# Allegro board TDI_KU5P_QSFP28_CXP_V001-20240805_1841.brd (continued)
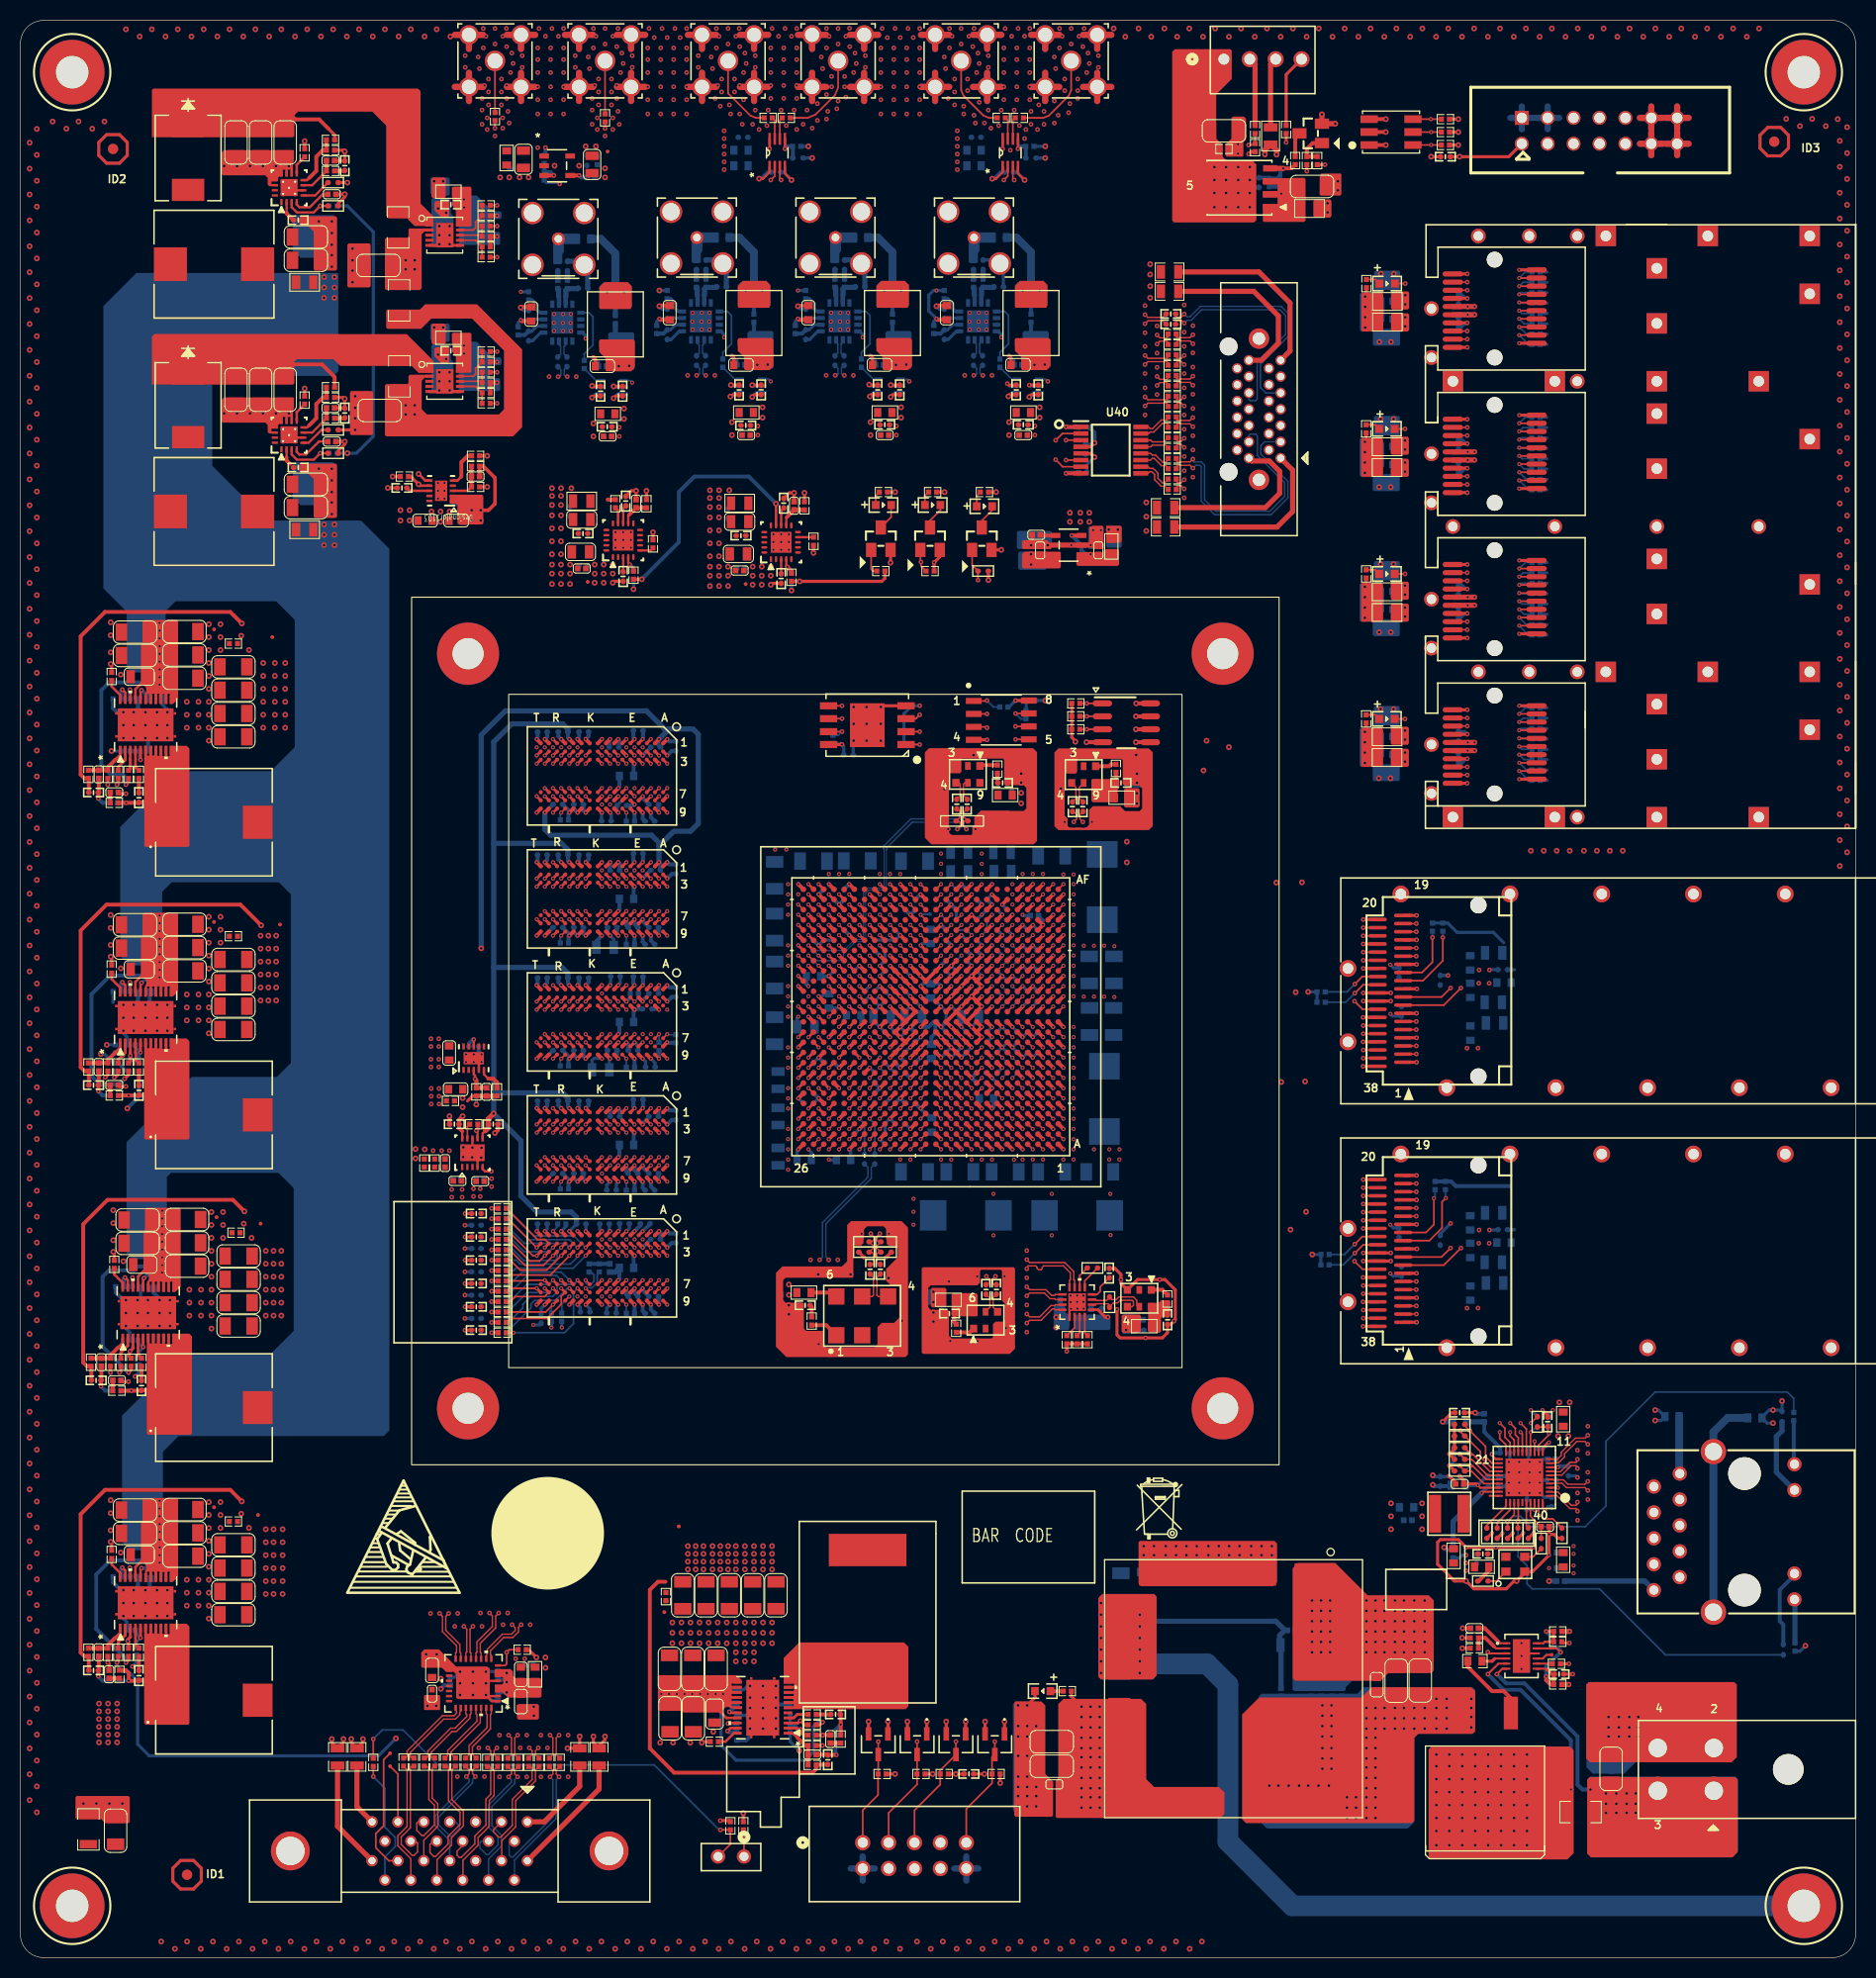
[diagram p0: board, top side]
## Routing (per net, layer and track width the routed paths; a pad name or vN(x,y) marks a point on that pad's centre or on a via; arc(x,y) is an arc through that point) (continued)
CHA_FPGA_DDR4_C1_DQS1_P: length 28.9
  TOP w0.17: U5.B7 v1(62.64,102.64) ; U1.AA22 v1(80.29,100.28)
  ART05 w0.102: 74.91,103.96 74.96,103.91 76.65,103.91 76.88,103.68 76.88,103 76.98,102.9 80.58,102.9 80.91,102.57 80.91,100.77 80.69,100.55 80.4,100.55 80.29,100.45 v1(80.29,100.28)
  ART05 w0.178: 74.91,103.96 74.77,103.96 74.31,103.51 73.9,103.51 73.73,103.69 73.73,104.34 73.37,104.7 72.48,104.7 72.12,104.34 72.12,102.97 71.94,102.8 71.23,102.8 71.05,102.97 71.05,104.34 70.7,104.7 69.73,104.7 69.37,104.34 69.37,103.68 69.19,103.5 63.24,103.5 62.88,103.15 62.88,102.81 62.71,102.64 v1(62.64,102.64)
CHA_FPGA_DDR4_C1_DQS2_N: length 45.9
  TOP w0.17: U6.F3 v1(59.44,117.1) ; U1.AD18 v1(84.29,103.28)
  ART05 w0.102: v1(84.29,103.28) 84.29,102.86 84.19,102.76 83.99,102.76 83.89,102.86 83.89,103.61 83.99,103.71 84.68,103.71 84.9,103.93 84.9,106.53 84.95,106.58 84.95,106.6
  ART05 w0.178: v1(59.44,117.1) 59.33,117.1 59.15,116.92 59.15,116.72 59.33,116.54 65.92,116.54 66.28,116.18 66.28,115.45 66.45,115.27 67.16,115.27 67.34,115.45 67.34,116.18 67.7,116.54 68.67,116.54 69.02,116.18 69.02,115.45 69.2,115.27 69.91,115.27 70.09,115.45 70.09,116.18 70.45,116.54 71.41,116.54 71.77,116.18 71.77,115.45 71.95,115.27 72.66,115.27 72.84,115.45 72.84,116.18 73.2,116.54 74.16,116.54 74.52,116.18 74.52,115.45 74.7,115.27 75.41,115.27 75.59,115.45 75.59,116.18 75.94,116.54 76.6,116.54 84.95,108.18 84.95,106.6
CHA_FPGA_DDR4_C1_DQS2_P: length 45.9
  TOP w0.17: U1.AC18 v1(84.29,102.28) ; U6.G3 v1(58.64,117.1)
  ART05 w0.102: 84.65,106.6 84.65,106.58 84.7,106.53 84.7,104.01 84.6,103.91 83.9,103.91 83.68,103.69 83.68,102.77 83.9,102.55 84.19,102.55 84.29,102.45 v1(84.29,102.28)
  ART05 w0.178: 84.65,106.6 84.65,108.05 76.47,116.23 76.07,116.23 75.89,116.05 75.89,115.32 75.54,114.96 74.57,114.96 74.21,115.32 74.21,116.05 74.04,116.23 73.32,116.23 73.15,116.05 73.15,115.32 72.79,114.96 71.82,114.96 71.46,115.32 71.46,116.05 71.29,116.23 70.58,116.23 70.4,116.05 70.4,115.32 70.04,114.96 69.07,114.96 68.72,115.32 68.72,116.05 68.54,116.23 67.83,116.23 67.65,116.05 67.65,115.32 67.29,114.96 66.33,114.96 65.97,115.32 65.97,116.05 65.79,116.23 59.2,116.23 58.84,116.59 58.84,116.9 v1(58.64,117.1)
CHA_FPGA_DDR4_C1_DQS3_N: length 39.9
  TOP w0.17: U6.A7 v1(63.44,114.7) ; U1.AC17 v1(85.29,102.28)
  ART03 w0.102: 85.66,106.68 85.66,106.67 85.71,106.62 85.71,101.81 85.61,101.7 85.39,101.7 85.29,101.81 v1(85.29,102.28)
  ART03 w0.178: v1(63.44,114.7) 63.37,114.7 63.19,114.88 63.19,115.34 63.37,115.52 64.03,115.52 64.39,115.16 64.74,115.16 65.1,115.52 65.46,115.52 65.81,115.16 66.17,115.16 66.52,115.52 66.88,115.52 67.23,115.16 67.59,115.16 67.94,115.52 79.44,115.52 80.17,114.79 80.67,114.79 80.92,115.03 81.17,115.03 81.67,114.53 81.67,114.28 81.43,114.03 81.43,113.53 82.11,112.84 82.62,112.84 82.86,113.09 83.11,113.09 83.62,112.58 83.62,112.33 83.37,112.09 83.37,111.58 84.06,110.9 84.56,110.9 84.81,111.14 85.06,111.14 85.56,110.64 85.56,110.39 85.32,110.15 85.32,109.64 85.66,109.29 85.66,106.68
CHA_FPGA_DDR4_C1_DQS3_P: length 40.1
  TOP w0.17: U1.AB17 v1(85.29,101.28) ; U6.B7 v1(62.64,114.7)
  ART03 w0.102: 85.97,106.68 85.92,106.63 85.92,101.72 85.7,101.5 85.39,101.5 85.29,101.4 v1(85.29,101.28)
  ART03 w0.178: v1(62.64,114.7) 62.7,114.7 62.88,114.89 62.88,115.47 63.24,115.82 79.57,115.82 80.3,115.1 80.55,115.1 80.79,115.34 81.3,115.34 81.98,114.66 81.98,114.15 81.74,113.91 81.74,113.65 82.24,113.15 82.49,113.15 82.74,113.4 83.24,113.4 83.92,112.71 83.92,112.21 83.68,111.96 83.68,111.71 84.18,111.21 84.44,111.21 84.68,111.45 85.19,111.45 85.87,110.77 85.87,110.26 85.63,110.02 85.63,109.77 85.97,109.42 85.97,106.68
CHA_FPGA_DDR4_C1_DQS4_N: length 39.7
  TOP w0.17: U1.L19 v1(83.29,90.28) ; U7.F3 v1(59.44,80.91)
  ART12 w0.102: v1(83.29,90.28) 83.8,90.28 83.9,90.18 83.9,89.97 83.79,89.87 80.11,89.87 79.9,90.08 79.9,90.52 79.95,90.58 79.95,90.6
  ART12 w0.178: v1(59.44,80.91) 59.28,80.91 59.15,80.78 59.15,80.54 59.33,80.37 63.77,80.37 64.2,80.8 64.2,81.4 66.08,83.29 66.08,83.54 65.69,83.94 65.69,84.44 66.37,85.13 66.88,85.13 67.27,84.73 67.53,84.73 68.03,85.23 68.03,85.49 67.63,85.88 67.63,86.39 68.32,87.07 68.82,87.07 69.22,86.68 69.47,86.68 69.97,87.18 69.97,87.43 69.58,87.83 69.58,88.33 70.26,89.02 70.77,89.02 71.16,88.62 71.41,88.62 71.92,89.12 71.92,89.37 71.52,89.77 71.52,90.28 72.2,90.96 72.71,90.96 73.11,90.56 73.36,90.56 73.95,91.16 79.67,91.16 79.95,90.88 79.95,90.6
CHA_FPGA_DDR4_C1_DQS4_P: length 39.9
  TOP w0.17: U1.M19 v1(84.3,90.27) ; U7.G3 v1(58.64,80.91)
  ART12 w0.102: 79.64,90.6 79.64,90.58 79.7,90.52 79.7,89.99 80.03,89.66 83.88,89.66 84.1,89.88 84.1,90.17 84.2,90.27 v1(84.3,90.27)
  ART12 w0.178: 79.64,90.6 79.64,90.75 79.54,90.85 74.08,90.85 73.48,90.26 72.98,90.26 72.58,90.65 72.33,90.65 71.83,90.15 71.83,89.9 72.22,89.5 72.22,88.99 71.54,88.31 71.03,88.31 70.64,88.71 70.39,88.71 69.88,88.2 69.88,87.95 70.28,87.56 70.28,87.05 69.6,86.37 69.09,86.37 68.69,86.76 68.44,86.76 67.94,86.26 67.94,86.01 68.34,85.61 68.34,85.11 67.65,84.42 67.15,84.42 66.75,84.82 66.5,84.82 66,84.32 66,84.06 66.39,83.67 66.39,83.16 64.51,81.28 64.51,80.67 63.89,80.06 59.2,80.06 58.84,80.42 58.84,80.7 v1(58.64,80.91)
CHA_FPGA_DDR4_C1_DQS5_N: length 25.3
  TOP w0.17: U7.A7 v1(63.44,78.51)
  TOP w0.211: U1.L25 v1(78.3,89.28)
  ART05 w0.102: 74.92,86.59 74.97,86.64 76.6,86.64 76.93,86.96 76.93,87.49 77.11,87.68 77.57,87.68 77.87,87.98 77.87,89.73 77.97,89.83 78.19,89.83 78.3,89.73 78.3,89.28 v1(78.3,89.28)
  ART05 w0.178: v1(63.44,78.51) 63.26,78.51 63.08,78.68 63.08,78.93 63.26,79.11 66.25,79.11 66.85,79.71 67.1,79.71 67.25,79.55 67.76,79.55 68.44,80.24 68.44,80.74 68.29,80.9 68.29,81.15 68.79,81.65 69.04,81.65 69.2,81.5 69.7,81.5 70.39,82.18 70.39,82.69 70.23,82.84 70.23,83.09 73.72,86.59 74.92,86.59
CHA_FPGA_DDR4_C1_DQS5_P: length 25.3
  TOP w0.17: U7.B7 v1(62.64,78.51)
  TOP w0.211: U1.L24 v1(78.29,90.28)
  ART05 w0.102: 74.92,86.89 74.93,86.89 74.98,86.84 76.52,86.84 76.72,87.05 76.72,87.58 77.03,87.88 77.48,87.88 77.66,88.06 77.66,89.81 77.88,90.03 78.19,90.03 78.29,90.13 v1(78.29,90.28)
  ART05 w0.178: v1(62.64,78.51) 62.78,78.64 62.78,79.06 63.13,79.42 66.12,79.42 66.72,80.02 67.23,80.02 67.38,79.86 67.63,79.86 68.14,80.37 68.14,80.62 67.98,80.77 67.98,81.28 68.66,81.96 69.17,81.96 69.32,81.81 69.58,81.81 70.08,82.31 70.08,82.56 69.92,82.72 69.92,83.22 73.6,86.89 74.92,86.89
CHA_FPGA_DDR4_C1_DQS6_N: length 35.7
  TOP w0.17: U1.F25 v1(77.29,85.28) ; U9.F3 v1(59.44,68.84)
  ART10 w0.178: v1(77.29,85.28) 77.46,85.28 77.64,85.1 77.64,84.68 75.5,82.55 75.25,82.55 74.64,83.16 74.13,83.16 73.45,82.48 73.45,81.97 74.07,81.35 74.07,81.1 73.57,80.59 73.32,80.59 72.69,81.22 72.19,81.22 71.5,80.53 71.5,80.03 71.87,79.66 71.87,74.91 64.96,68 63.72,68 63.44,68.28 63.01,68.28 62.73,68 62.3,68 62.02,68.28 61.59,68.28 61.31,68 60.87,68 60.6,68.28 60.16,68.28 59.89,68 59.3,68 59.12,68.18 59.12,68.66 59.3,68.84 v1(59.44,68.84)
CHA_FPGA_DDR4_C1_DQS6_P: length 35.8
  TOP w0.17: U1.F24 v1(78.29,85.28) ; U9.G3 v1(58.64,68.84)
  ART10 w0.178: v1(78.29,85.28) 77.95,84.93 77.95,84.55 75.63,82.24 75.12,82.24 74.51,82.85 74.26,82.85 73.76,82.35 73.76,82.1 74.38,81.47 74.38,80.97 73.7,80.28 73.19,80.28 72.57,80.91 72.32,80.91 71.81,80.4 71.81,80.15 72.18,79.79 72.18,74.78 65.09,67.69 59.17,67.69 58.81,68.05 58.81,68.66 v1(58.64,68.84)
CHA_FPGA_DDR4_C1_DQS7_N: length 33.8
  TOP w0.17: U1.C24 v1(78.29,82.28) ; U9.A7 v1(63.44,66.44)
  ART03 w0.102: v1(78.29,82.28) 78.77,82.28 78.87,82.38 78.87,82.6 78.77,82.7 76.17,82.7 75.28,81.81 74.95,81.81 74.9,81.76 74.87,81.76
  ART03 w0.178: 74.87,81.76 71.41,81.76 71.24,81.58 71.24,80.88 70.88,80.53 70.55,80.53 70.38,80.35 70.38,79.64 70.55,79.46 70.88,79.46 71.24,79.1 71.24,78.14 70.88,77.78 70.55,77.78 70.38,77.6 70.38,76.89 70.55,76.71 70.88,76.71 71.24,76.35 71.24,75.39 70.88,75.03 70.55,75.03 70.38,74.85 70.38,74.14 70.55,73.96 70.88,73.96 71.24,73.6 71.24,72.95 65.47,67.18 64.87,67.18 64.7,67 64.7,66.95 64.52,66.78 64.16,66.78 63.98,66.95 63.98,67 63.81,67.18 63.37,67.18 63.19,67 63.19,66.62 63.37,66.44 v1(63.44,66.44)
CHA_FPGA_DDR4_C1_DQS7_P: length 33.8
  TOP w0.17: U9.B7 v1(62.64,66.44) ; U1.D23 v1(79.29,82.28)
  ART03 w0.102: 74.87,82.07 74.9,82.07 74.95,82.02 75.2,82.02 76.09,82.91 78.85,82.91 79.07,82.69 79.07,82.38 79.18,82.28 v1(79.29,82.28)
  ART03 w0.178: 74.87,82.07 71.29,82.07 70.93,81.71 70.93,81.01 70.75,80.83 70.43,80.83 70.07,80.48 70.07,79.51 70.43,79.15 70.75,79.15 70.93,78.97 70.93,78.26 70.75,78.08 70.43,78.08 70.07,77.73 70.07,76.76 70.43,76.4 70.75,76.4 70.93,76.23 70.93,75.51 70.75,75.34 70.43,75.34 70.07,74.98 70.07,74.01 70.43,73.66 70.75,73.66 70.93,73.48 70.93,73.08 65.34,67.49 63.24,67.49 62.88,67.13 62.88,66.68 v1(62.64,66.44)
CHA_FPGA_DDR4_C1_DQS8_N: length 33.6
  TOP w0.17: U8.F3 v1(59.44,92.97) ; U1.P23 v1(79.29,92.28)
  ART03 w0.102: 74.81,91.9 74.84,91.9 74.89,91.85 79.75,91.85 79.87,91.97 79.87,92.09 79.87,92.2 79.8,92.28 v1(79.29,92.28)
  ART03 w0.178: 74.81,91.9 74.25,91.9 73.89,91.54 73.89,90.6 73.71,90.43 73,90.43 72.82,90.6 72.82,91.54 72.46,91.9 71.5,91.9 71.14,91.54 71.14,90.6 70.96,90.43 70.25,90.43 70.07,90.6 70.07,91.54 69.72,91.9 68.75,91.9 68.39,91.54 68.39,90.6 68.21,90.43 67.5,90.43 67.32,90.6 67.32,91.54 66.97,91.9 66,91.9 65.64,91.54 65.64,90.6 65.47,90.43 64.79,90.43 64.58,90.64 64.58,91.54 64.22,91.9 62.19,91.9 61.94,92.15 61.48,92.15 61.23,91.9 60.77,91.9 60.51,92.15 60.06,92.15 59.8,91.9 59.37,91.9 59.19,92.08 59.19,92.79 59.37,92.97 v1(59.44,92.97)
CHA_FPGA_DDR4_C1_DQS8_P: length 33.7
  TOP w0.17: U1.N23 v1(80.3,92.28) ; U8.G3 v1(58.64,92.97)
  ART03 w0.102: v1(80.3,92.28) 80.18,92.28 80.08,92.18 80.08,92.09 80.08,91.99 80.08,91.89 79.83,91.64 74.89,91.64 74.84,91.59 74.81,91.59
  ART03 w0.178: 74.81,91.59 74.37,91.59 74.2,91.41 74.2,90.48 73.84,90.12 72.87,90.12 72.51,90.48 72.51,91.41 72.34,91.59 71.62,91.59 71.45,91.41 71.45,90.48 71.09,90.12 70.12,90.12 69.77,90.48 69.77,91.41 69.59,91.59 68.88,91.59 68.7,91.41 68.7,90.48 68.34,90.12 67.37,90.12 67.02,90.48 67.02,91.41 66.84,91.59 66.13,91.59 65.95,91.41 65.95,90.48 65.59,90.12 64.66,90.12 64.27,90.51 64.27,91.41 64.09,91.59 59.24,91.59 58.88,91.95 58.88,92.72 v1(58.64,92.97)
CHA_FPGA_DDR4_C1_ODT: length 120.8
  TOP w0.267: U1.Y25 v1(77.29,99.28) ; U7.K3 v1(55.44,80.91) ; U8.K3 v1(55.44,92.97) ; U5.K3 v1(55.44,105.04) ; U6.K3 v1(55.44,117.1) ; U9.K3 v1(55.44,68.84)
  ART05 w0.122: v1(55.44,68.84) 55.04,69.24 55.04,69.83 56.24,71.03 56.24,79.74 56.12,79.86 55.64,79.86 55.51,79.98 55.51,80.22 55.64,80.35 56.12,80.35 56.24,80.47 56.24,80.78 56.12,80.91 v1(55.44,80.91) 55.44,81.06 55.26,81.24 55.04,81.46 55.04,81.9 56.24,83.1 56.24,91.8 56.12,91.92 55.64,91.92 55.51,92.04 55.51,92.29 55.64,92.41 56.12,92.41 56.24,92.53 56.24,92.85 56.12,92.97 v1(55.44,92.97) 55.44,93.13 55.26,93.3 55.04,93.53 55.04,93.96 56.24,95.16 56.24,103.87 56.12,103.99 55.64,103.99 55.51,104.11 55.51,104.35 55.64,104.48 56.12,104.48 56.24,104.6 56.24,104.91 56.12,105.04 v1(55.44,105.04) 55.44,105.19 55.26,105.37 55.04,105.59 55.04,106.03 56.24,107.23 56.24,115.93 56.12,116.05 55.64,116.05 55.51,116.17 55.51,116.42 55.64,116.54 56.12,116.54 56.24,116.66 56.24,116.98 56.12,117.1 v1(55.44,117.1)
  ART12 w0.165: v1(55.44,117.1) U6.K3 64.13,117.5
  ART12 w0.191: v1(77.29,99.28) 76.79,99.78 76.08,99.78 75.53,100.33 69.07,100.33 68.87,100.52 68.87,106.31 68.68,106.5 67.54,106.5 67.35,106.69 67.35,107.07 67.54,107.26 68.68,107.26 68.87,107.45 68.87,107.84 68.68,108.03 67.54,108.03 67.35,108.22 67.35,108.6 67.54,108.79 68.68,108.79 68.87,108.98 68.87,109.36 68.68,109.55 67.54,109.55 67.35,109.74 67.35,110.12 67.54,110.31 68.68,110.31 68.87,110.5 68.87,110.88 68.68,111.07 67.54,111.07 67.35,111.26 67.35,111.65 67.54,111.84 68.68,111.84 68.87,112.03 68.87,112.41 68.68,112.6 67.54,112.6 67.35,112.79 67.35,113.17 67.54,113.36 68.68,113.36 68.87,113.55 68.87,113.89 65.27,117.5 64.13,117.5
  BOTTOM w0.17: R94.1 48.38,67.39 48.61,67.61 54.21,67.61 v1(55.44,68.84)
CHA_FPGA_DDR4_C1_PARITY: length 121.3
  TOP w0.17: v1(50.64,68.84) 50.27,68.84 R99.1
  TOP w0.267: U7.T3 v1(50.64,80.91) ; U9.T3 v1(50.64,68.84) ; U8.T3 v1(50.64,92.97) ; U1.U21 v1(81.29,96.28) ; U6.T3 v1(50.64,117.1) ; U5.T3 v1(50.64,105.04)
  ART05 w0.122: v1(50.64,117.1) 49.91,117.1 49.65,116.84 49.65,116.67 49.85,116.48 49.85,116.3 49.67,116.13 49.5,116.13 49.31,116.33 49.13,116.33 48.45,115.65 48.45,107.22 v1(50.64,105.04) 49.91,105.04 48.45,103.58 48.45,95.16 v1(50.64,92.97) 49.91,92.97 49.19,92.25 49.19,92.08 49.36,91.91 49.36,91.74 49.19,91.56 49.01,91.56 48.84,91.73 48.67,91.73 48.45,91.52 48.45,83.09 v1(50.64,80.91) 49.91,80.91 49.65,80.65 49.65,80.48 49.85,80.28 49.85,80.11 49.67,79.94 49.5,79.94 49.31,80.13 49.13,80.13 48.45,79.45 48.45,71.03 v1(50.64,68.84)
  ART10 w0.191: v1(50.64,117.1) 51.1,116.64 63.79,116.64 64.46,117.3 72.68,117.3 72.98,117.01 73.25,117.01 73.6,117.36 73.87,117.36 74.14,117.09 74.14,116.82 73.78,116.47 73.78,116.2 74.05,115.93 74.32,115.93 74.91,116.51 75.17,116.51 75.44,116.24 75.44,115.97 74.86,115.39 74.86,115.12 75.13,114.85 75.4,114.85 75.98,115.43 76.25,115.43 76.52,115.16 76.52,114.89 75.94,114.31 75.94,114.04 76.21,113.77 76.48,113.77 77.06,114.35 77.33,114.35 77.6,114.08 77.6,113.81 77.02,113.23 77.02,112.96 80.79,109.19 80.79,96.78 v1(81.29,96.28)
CHA_FPGA_DDR4_C1_RAS: length 126.8
  TOP w0.17: R90.1 v1(48.35,61.29)
  TOP w0.267: U5.L8 v1(54.64,101.83) ; U6.L8 v1(54.64,113.9) ; U9.L8 v1(54.64,65.64) ; U7.L8 v1(54.64,77.7) ; U8.L8 v1(54.64,89.77) ; U1.T22 v1(80.29,95.28)
  ART10 w0.165: v1(54.64,113.9) 54.64,113.32 55.26,112.7 64,112.7
  ART10 w0.191: v1(80.29,95.28) 79.79,95.78 78.45,95.78 77.45,96.78 76.16,96.78 75.79,97.14 75.79,97.49 75.5,97.78 71.07,97.78 70.88,97.97 70.88,98.41 71.07,98.6 72.67,98.6 72.86,98.79 72.86,99.17 72.67,99.36 71.07,99.36 70.88,99.56 70.88,99.94 71.07,100.13 72.67,100.13 72.86,100.32 72.86,100.7 72.67,100.89 71.07,100.89 70.88,101.08 70.88,101.46 71.07,101.65 72.67,101.65 72.86,101.84 72.86,102.22 72.67,102.41 71.07,102.41 70.88,102.6 70.88,102.98 71.07,103.17 72.67,103.17 72.86,103.37 72.86,109.27 69.43,112.7 64,112.7
  ART12 w0.122: v1(54.64,65.64) 55.04,66.04 55.04,67.04 55.87,67.87 55.87,72.58 55.75,72.7 55.61,72.7 55.49,72.82 55.49,73.07 55.61,73.19 55.75,73.19 55.87,73.31 55.87,73.61 55.75,73.73 55.59,73.73 55.46,73.85 55.46,74.1 55.59,74.22 55.75,74.22 55.87,74.34 55.87,74.59 55.75,74.71 55.59,74.71 55.46,74.83 55.46,75.07 55.59,75.2 55.75,75.2 55.87,75.32 55.87,76.2 54.64,77.43 v1(54.64,77.7) 54.64,77.87 55.04,78.27 55.04,79.1 55.87,79.93 55.87,84.83 55.75,84.95 55.53,84.95 55.41,85.07 55.41,85.32 55.53,85.44 55.75,85.44 55.87,85.56 55.87,85.8 55.75,85.93 55.53,85.93 55.41,86.05 55.41,86.29 55.53,86.41 55.75,86.41 55.87,86.54 55.87,86.78 55.75,86.9 55.53,86.9 55.41,87.02 55.41,87.27 55.53,87.39 55.75,87.39 55.87,87.51 55.87,88.26 54.64,89.5 v1(54.64,89.77) 54.64,89.94 55.04,90.34 55.04,91.17 55.87,92 55.87,97.74 55.75,97.86 55.59,97.86 55.46,97.98 55.46,98.23 55.59,98.35 55.75,98.35 55.87,98.47 55.87,98.72 55.75,98.84 55.59,98.84 55.46,98.96 55.46,99.2 55.59,99.33 55.75,99.33 55.87,99.45 55.87,100.33 54.64,101.56 v1(54.64,101.83) 54.64,102 55.04,102.4 55.04,103.23 55.87,104.06 55.87,109.81 55.75,109.93 55.59,109.93 55.46,110.05 55.46,110.29 55.59,110.42 55.75,110.42 55.87,110.54 55.87,110.78 55.75,110.9 55.59,110.9 55.46,111.02 55.46,111.27 55.59,111.39 55.75,111.39 55.87,111.51 55.87,112.39 54.64,113.63 v1(54.64,113.9)
  BOTTOM w0.17: v1(48.35,61.29) 53.36,61.29 54.24,62.18 54.24,65.24 v1(54.64,65.64)
CHA_FPGA_DDR4_C1_RESET: length 106.1
  TOP w0.267: U6.P1 v1(52.24,119.5) ; U5.P1 v1(52.24,107.44) ; U7.P1 v1(52.24,83.31) ; U8.P1 v1(52.24,95.37) ; U1.U19 v1(83.29,96.28) ; U9.P1 v1(52.24,71.24)
  ART03 w0.122: v1(52.24,119.5) 51.84,119.1 51.84,107.84 v1(52.24,107.44) 52.24,106.71 51.84,106.31 51.84,95.77 v1(52.24,95.37) 52.24,94.64 51.84,94.24 51.84,83.71 v1(52.24,83.31) 52.24,82.58 51.84,82.18 51.84,71.64 v1(52.24,71.24)
  ART10 w0.191: v1(52.24,119.5) 52.85,120.12 75.07,120.12 84.79,110.4 84.79,96.96 84.62,96.78 83.79,96.78 v1(83.29,96.28)
  BOTTOM w0.17: R69.2 52.7,71.7 v1(52.24,71.24)
CHA_FPGA_DDR4_C1_WE: length 119.3
  TOP w0.267: U5.L2 v1(54.64,105.84) ; U7.L2 v1(54.64,81.71) ; U6.L2 v1(54.64,117.9) ; U9.L2 v1(54.64,69.64) ; U8.L2 v1(54.64,93.77) ; U1.AA24 v1(78.29,100.28)
  ART05 w0.122: v1(54.64,117.9) 55.04,117.5 55.04,115.99 55.91,115.13 55.91,111.72 55.78,111.6 55.61,111.6 55.49,111.47 55.49,111.23 55.61,111.11 55.78,111.11 55.91,110.99 55.91,110.74 55.78,110.62 55.61,110.62 55.49,110.5 55.49,110.26 55.61,110.13 55.78,110.13 55.91,110.01 55.91,109.77 55.78,109.65 55.61,109.65 55.49,109.52 55.49,109.28 55.61,109.16 55.78,109.16 55.91,109.04 55.91,107.34 54.64,106.07 v1(54.64,105.84) 54.64,105.68 55.04,105.28 55.04,103.93 55.91,103.06 55.91,99.65 55.78,99.53 55.61,99.53 55.49,99.41 55.49,99.17 55.61,99.04 55.78,99.04 55.91,98.92 55.91,98.68 55.78,98.56 55.61,98.56 55.49,98.43 55.49,98.19 55.61,98.07 55.78,98.07 55.91,97.95 55.91,97.7 55.78,97.58 55.61,97.58 55.49,97.46 55.49,97.21 55.61,97.09 55.78,97.09 55.91,96.97 55.91,95.27 54.64,94.01 v1(54.64,93.77) 54.64,93.61 55.04,93.21 55.04,91.86 55.91,91 55.91,87.59 55.78,87.47 55.61,87.47 55.49,87.34 55.49,87.1 55.61,86.98 55.78,86.98 55.91,86.86 55.91,86.61 55.78,86.49 55.61,86.49 55.49,86.37 55.49,86.13 55.61,86 55.78,86 55.91,85.88 55.91,85.64 55.78,85.52 55.61,85.52 55.49,85.39 55.49,85.15 55.61,85.03 55.78,85.03 55.91,84.91 55.91,83.21 54.64,81.94 v1(54.64,81.71) 54.64,81.55 55.04,81.15 55.04,79.8 55.91,78.93 55.91,75.52 55.78,75.4 55.61,75.4 55.49,75.28 55.49,75.04 55.61,74.91 55.78,74.91 55.91,74.79 55.91,74.55 55.78,74.43 55.61,74.43 55.49,74.3 55.49,74.06 55.61,73.94 55.78,73.94 55.91,73.82 55.91,73.57 55.78,73.45 55.61,73.45 55.49,73.33 55.49,73.08 55.61,72.96 55.78,72.96 55.91,72.84 55.91,71.14 54.64,69.88 v1(54.64,69.64)
  ART12 w0.165: v1(54.64,117.9) 54.64,118.15 55.04,118.55 55.04,119.79 55.44,120.19
  ART12 w0.191: v1(78.29,100.28) 78.29,100.57 77.79,101.07 77.79,103.53 77.54,103.78 74.87,103.78 74.67,103.58 74.67,102.55 74.48,102.36 74.09,102.36 73.9,102.55 73.9,103.85 73.71,104.04 73.36,104.04 73.14,103.82 73.14,102.55 72.95,102.36 72.57,102.36 72.38,102.55 72.38,107.42 72.57,107.61 73.59,107.61 73.78,107.8 73.78,108.18 73.59,108.37 72.57,108.37 72.38,108.56 72.38,113.21 65.39,120.19 55.44,120.19
  BOTTOM w0.17: R93.1 47.79,72.47 49.85,70.41 53.87,70.41 v1(54.64,69.64)
CHA_FPGA_DONE_B: length 41.2
  TOP w0.17: Q1.1 93.35,136.56 R9.2 v2(93.92,135.1) ; U1.AB11 v1(92.3,101.28)
  ART03 w0.122: v2(93.92,135.1) 96.76,132.26 96.76,109.83 94.81,107.87 94.81,104.5 93.79,103.48 93.79,101.95 93.67,101.83 92.85,101.83 v1(92.3,101.28)
CHA_FPGA_INIT_B: length 1.4
  TOP w0.381: U1.W10 v2(93.3,98.28)
  BOTTOM w0.381: v2(93.3,98.28) 92.8,98.78 R2.2
CHA_FPGA_MODE0: length 2.4
  TOP w0.17: U1.AA10 v1(93.3,100.28)
  BOTTOM w0.17: R14.2 R15.1 92.8,100.78 v1(93.3,100.28)
CHA_FPGA_MODE1: length 2.4
  TOP w0.17: U1.AA9 v1(94.3,100.28)
  BOTTOM w0.17: v1(94.3,100.28) R13.1 R12.2
CHA_FPGA_MODE2: length 2.1
  TOP w0.17: U1.AF12 v1(91.3,105.28)
  BOTTOM w0.17: R11.1 91.8,104.79 v1(91.3,105.28) 90.82,104.8 R10.2
CHA_FPGA_POR_OVERRIDE: length 2.1
  TOP w0.381: U1.Y12 v1(91.3,99.28)
  BOTTOM w0.381: U1.Y12 v1(91.3,99.28) 90.8,99.78 R8.1
CHA_FPGA_PROG_B: length 1.4
  TOP w0.381: U1.AB9 v2(94.3,101.28)
  BOTTOM w0.17: U1.AB9 v2(94.3,101.28)
CHA_FPGA_PUDC_B: length 2.1
  TOP w0.381: U1.W9 v2(94.3,98.28)
  BOTTOM w0.381: R4.2 93.8,98.78 v2(94.3,98.28) U1.W9
CHA_FPGA_TCK: length 109.8
  TOP w0.17: v2(84.14,21.18) D4.3 84.14,18.03 R19.1 84.12,15.96 82.62,14.45 J1.1 ; U1.AE12 v1(91.3,104.28)
  ART10 w0.122: v2(84.14,21.18) 84.9,21.95 91,21.95 91.51,22.45 91.51,26.08 93.28,27.85 93.28,54.23 87.14,60.38 87.14,69.24 85.87,70.51 85.87,76.83 84.78,77.93 84.78,96.56 84.96,96.75 85.41,96.75 85.79,97.13 85.79,97.76 85.92,97.89 86.55,97.89 86.81,98.15 86.81,98.65 86.93,98.78 87.57,98.78 87.82,99.03 87.82,99.54 88.08,99.8 88.97,99.8 89.98,100.81 90.49,100.81 90.79,101.12 90.79,101.4 90.92,101.52 90.92,103.9 v1(91.3,104.28)
CHA_FPGA_TDI: length 100.4
  TOP w0.17: U1.AB12 v1(91.3,101.28) ; J1.9 92.78,14.58 95.3,17.1 R22.1 95.3,19.64 D1.3 v2(95.57,21.18)
  ART10 w0.122: v1(91.3,101.28) 91.3,100.99 90.87,100.56 90.87,99.92 90.74,99.8 90.11,99.8 89.22,98.91 88.08,98.91 87.82,98.65 87.82,98.02 87.57,97.76 86.81,97.76 86.68,97.64 86.68,97 86.43,96.75 85.92,96.75 85.79,96.62 85.79,77.93 86.38,77.34 86.38,70.82 87.67,69.52 87.67,60.86 93.92,54.61 93.92,22.2 94.94,21.18 v2(95.57,21.18)
CHA_FPGA_TDO: length 109.1
  TOP w0.17: v2(87.95,21.18) D3.3 87.95,18.03 ; J1.3 85.16,14.2 87.95,16.99 87.95,18.03 ; 87.95,18.03 R20.1 ; U1.Y10 v1(93.3,99.28)
  ART10 w0.122: v1(93.3,99.28) 92.78,98.76 92.78,98.02 92.52,97.76 89.73,97.76 88.71,96.75 87.95,96.75 87.7,96.49 87.7,75.49 88.99,74.19 88.99,61.14 97.09,53.04 97.09,20.42 96.33,19.66 89.47,19.66 v2(87.95,21.18)
CHA_FPGA_TMS: length 106.9
  TOP w0.17: U1.AB10 v1(93.3,101.28) ; v2(91.76,21.18) D2.3 90.22,18.37 R21.1 90.22,16.97 87.7,14.45 J1.5
  ART10 w0.122: v2(91.76,21.18) 92.9,20.04 95.82,20.04 96.21,20.42 96.21,21.44 95.32,22.33 95.32,54.05 88.28,61.09 88.28,69.72 86.81,71.2 86.81,96.49 87.06,96.75 87.57,96.75 87.82,97 87.82,97.51 88.08,97.76 88.71,97.76 89.73,98.78 91.63,98.78 91.76,98.91 91.76,99.42 92.12,99.77 92.65,99.77 92.85,99.97 92.85,100.51 93.3,100.95 v1(93.3,101.28)
CHA_GPIO_3V3_0: length 60.8
  TOP w0.17: U40.2 102.2,149.48 v2(101.54,148.82) ; U1.W16 v1(86.29,98.28)
  ART10 w0.122: v2(101.54,148.82) 97.27,144.55 97.27,135.06 85.69,123.48 85.69,98.88 86.29,98.28 v1(86.29,98.28)
CHA_GPIO_3V3_1: length 57
  TOP w0.17: U40.3 v2(102.56,148.83) ; U1.AB16 v1(86.29,101.28)
  ART10 w0.122: v2(102.56,148.83) 97.75,144.02 97.75,134.67 86.2,123.12 86.2,107.42 86.81,106.81 86.81,103.05 86.29,102.53 v1(86.29,101.28)
CHA_GPIO_3V3_2: length 51.5
  TOP w0.17: U1.AE15 v1(87.29,104.28) ; U40.6 v2(102.56,146.88)
  ART10 w0.122: v2(102.56,146.88) 99.89,144.21 99.89,135.31 87.21,122.63 87.21,108.18 87.72,107.67 87.72,104.93 87.29,104.5 v1(87.29,104.28)
CHA_GPIO_3V3_3: length 51.4
  TOP w0.17: v2(101.54,146.91) 102.23,146.23 U40.7 ; U1.AF15 v1(87.29,105.28)
  ART10 w0.122: v1(87.29,105.28) 87.29,107.19 86.81,107.67 86.81,122.94 98.24,134.37 98.24,143.61 v2(101.54,146.91)
CHA_GPIO_3V3_4: length 109
  TOP w0.17: U41.2 96.85,174.73 v2(96.46,174.35) ; U1.G12 v1(91.3,85.28)
  ART03 w0.122: v2(96.46,174.35) 109.13,161.67 109.13,135.08 98.26,124.21 98.26,117.88 97.37,116.99 97.37,109.22 95.93,107.77 95.93,98.87 95.8,98.75 93.03,98.75 92.78,98.5 92.78,98.02 92.52,97.76 92.14,97.76 91.89,97.51 91.89,97.13 91.63,96.88 91,96.88 90.74,96.62 90.74,95.99 90.49,95.73 89.98,95.73 89.12,94.87 89.12,86.05 89.52,85.65 90.92,85.65 91.3,85.28 v1(91.3,85.28)
CHA_GPIO_3V3_5: length 110.2
  TOP w0.17: U1.G11 v1(92.3,85.28) ; U41.3 97.34,174.48 v2(97.48,174.35)
  ART03 w0.122: v2(97.48,174.35) 109.62,162.2 109.62,134.85 98.95,124.18 98.95,109.65 96.79,107.49 96.79,97.9 96.67,97.78 93.03,97.78 92.78,97.53 92.78,97.13 92.4,96.75 91.89,96.75 91.76,96.62 91.76,95.99 91.51,95.73 90.99,95.73 90.87,95.61 90.87,94.97 90.74,94.84 89.98,94.84 89.35,94.21 89.35,86.21 89.65,85.9 91.81,85.9 92.3,85.42 v1(92.3,85.28)
CHA_GPIO_3V3_6: length 90
  TOP w0.17: U42.2 73.99,174.73 v2(73.6,174.35) ; U1.Y13 v1(90.3,99.28)
  ART05 w0.122: v1(90.3,99.28) 90.3,99.61 90.74,100.05 90.74,100.43 91,100.69 91.51,100.69 91.89,101.07 91.89,101.57 92.14,101.83 92.5,101.83 92.69,102.02 92.69,107.05 93.36,107.72 94.43,107.72 96,109.3 96,124.82 86.43,134.39 86.43,137.67 75,149.1 75,170.75 73.6,172.15 v2(73.6,174.35)
CHA_GPIO_3V3_7: length 91
  TOP w0.17: U1.W13 v1(90.3,98.28) ; v2(74.62,174.35) 74.48,174.48 U42.3
  ART05 w0.122: v1(90.3,98.28) 90.3,98.56 90.74,99.01 90.74,99.54 91,99.8 91.38,99.8 91.76,100.18 91.76,100.56 92.01,100.81 92.52,100.81 92.78,101.07 92.78,101.57 92.91,101.71 92.91,106.13 93.61,106.83 94.68,106.83 96.54,108.69 96.54,125.01 87.19,134.36 87.19,137.77 75.76,149.2 75.76,161.7 75.72,161.74 75.72,162.19 75.76,162.23 75.76,171.42 74.62,172.57 v2(74.62,174.35)
CHA_GPIO_3V3_8: length 129.6
  TOP w0.17: U1.J10 v1(93.3,87.27)
  ART03 w0.122: v1(93.3,87.27) 93.79,87.77 93.79,89.38 94.17,89.76 94.68,89.76 94.81,89.89 94.81,90.53 95.06,90.77 106.93,90.77 113.1,96.94 113.1,130.1 126.63,143.63 126.63,162.22 139.42,175.01 150.57,175.01 152.34,176.78 J3.5
CHA_GPIO_3V3_9: length 129.7
  TOP w0.17: U1.J9 v1(94.3,88.28)
  ART03 w0.122: J3.7 154.88,176.17 152.96,174.26 139.73,174.26 127.38,161.91 127.38,143.32 113.86,129.8 113.86,96.64 106,88.78 94.8,88.78 v1(94.3,88.28)
CHA_GPIO_3V3_10: length 133.1
  TOP w0.17: U1.G9 v1(94.3,86.28)
  ART03 w0.122: v1(94.3,86.28) 94.79,86.78 105.01,86.78 114.62,96.39 114.62,129.5 128.13,143.01 128.13,161.59 140.04,173.51 154.75,173.51 157.42,176.17 J3.9
